# Altium PCB extension.PcbDoc (part 3 of 3)
Units mm, origin at the board's own origin, x right, y up, seen from the top; angles counter-clockwise.
Board outline 156 x 120 mm, 4 copper layers (Top Copper, Supply, GND, Bot Copper), stack 1.56 mm thick; 231 components, 147 nets, 660 pads, 234 vias.
Unrouted connection lines stored in the file: 5.
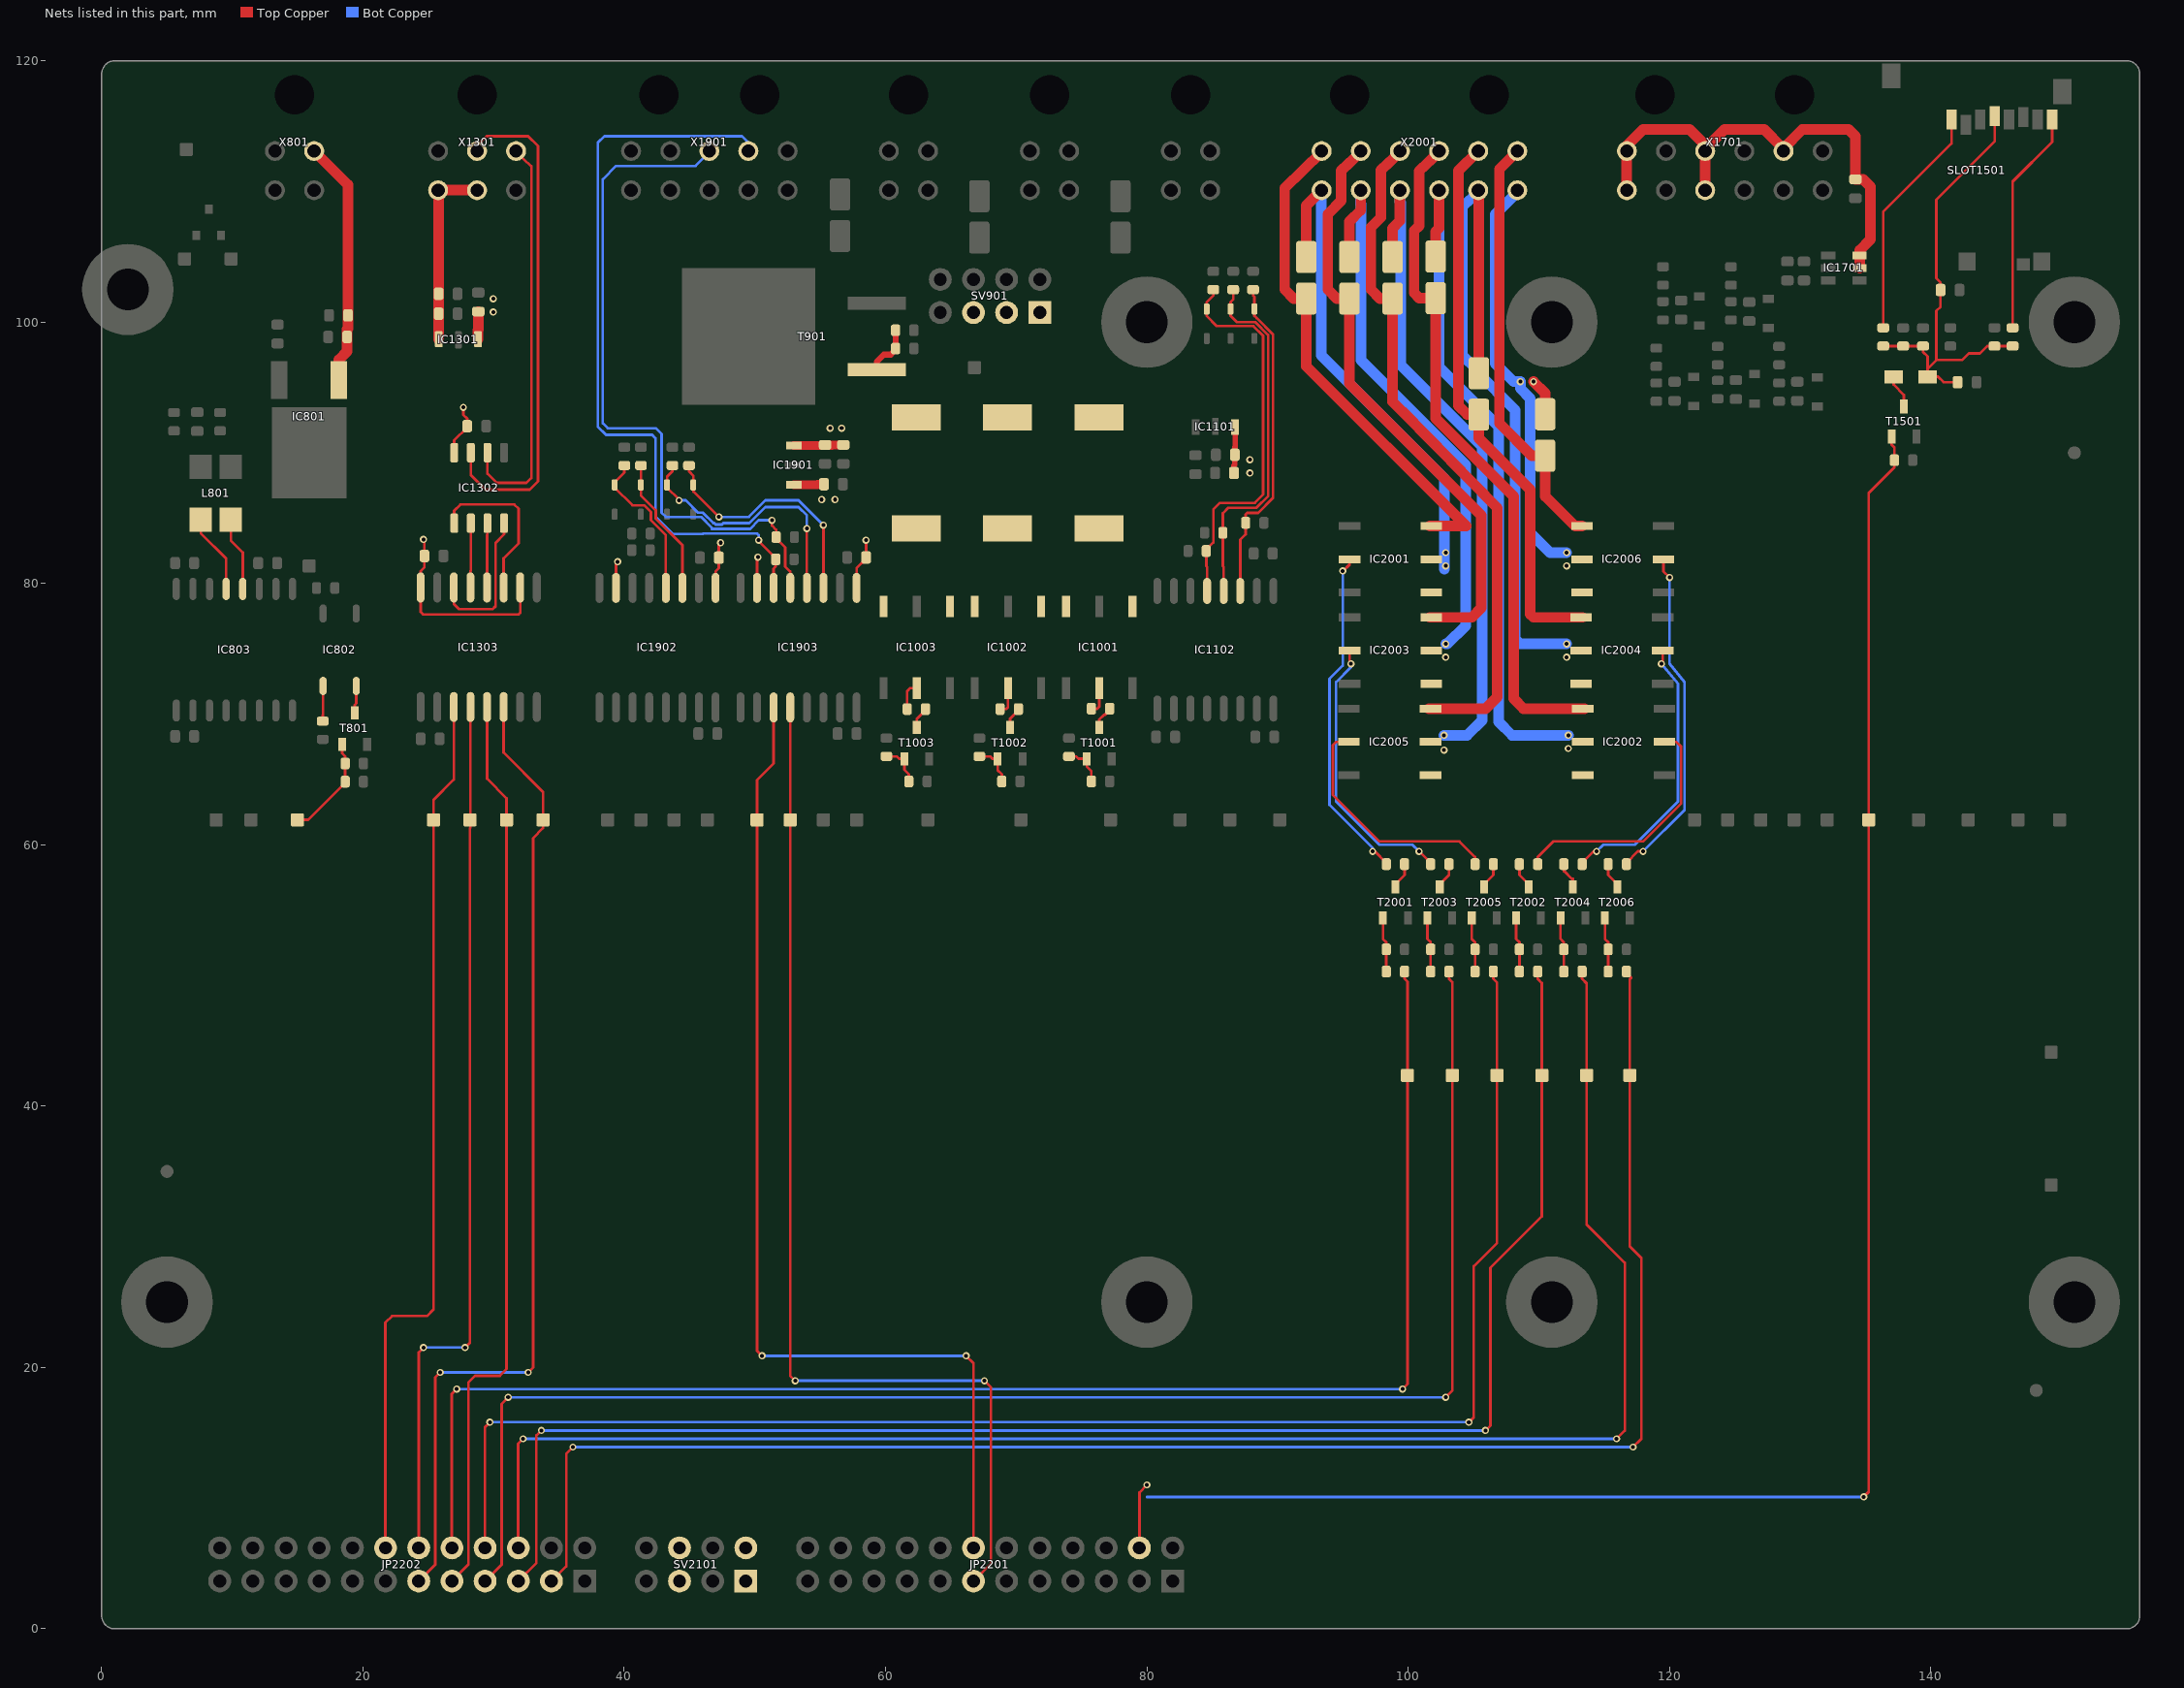
[diagram p5: the nets of this part, all layers, seen from the top]

## Via types
v1: diameter 0.55, hole 0.3, Top Copper to Bot Copper, tented both sides, 231 vias
v2: diameter 0.45, hole 0.203, Top Copper to Bot Copper, 2 vias
v3: diameter 0.9/1.8/1.8/0.9 (per signal layer), hole 0.6, Top Copper to Bot Copper, 1 vias

## Nets (pads, with @x,y where several pads share a name; then routed paths per layer and width w, separated by ;. In a path a pad name is that pad's centre, name@x,y a point inside that pad or via, vN(x,y) a via of type N, cw(c..) or ccw(c..) an arc to the next point about the centre after c; other vN are vias at no path point) (continued)
ISO_GPIO_MCU_0_OUT_2: IC1903.12 JP2201.13 LSP1906.1 | length 82.3
  Top Copper w0.203: IC1903.12@52.705,70.511 LSP1906.1@52.705,61.91 52.705,19.365 v1(53.086,18.984) ; IC1903.12@52.705,70.559 IC1903.12@52.737,70.527 ; JP2201.13@66.73,3.651 68.072,4.993 68.072,18.476 v1(67.564,18.984)
  Bot Copper w0.203: v1(53.086,18.984) v1(67.564,18.984)
ISO_GPIO_MCU_0_OUT_2_EXT: IC1903.5 R1907.2 X1901.3 | length 53.6
  Top Copper w0.203: v1(51.308,84.836) 51.308,84.421 51.624,84.105 R1907.2@51.624,83.553 51.624,83.453 52.324,82.753 52.324,81.294 52.705,80.913 IC1903.5@52.705,79.661
  Bot Copper w0.203: X1901.3@46.514,113.009 46.514,112.996 45.466,111.948 39.37,111.948 38.354,110.932 38.354,92.263 38.735,91.882 42.418,91.882 42.862,91.437 42.862,85.405 43.18,85.087 45.879,85.087 46.691,84.275 46.691,84.18 49.636,84.18 50.292,84.836 v1(51.308,84.836)
ISO_GPIO_MCU_0_OUT_3: IC1903.11 JP2201.14 LSP1908.1 | length 80.9
  Top Copper w0.203: v1(50.546,20.889) 50.165,21.27 LSP1908.1@50.165,61.91 50.165,64.958 51.435,66.228 IC1903.11@51.435,70.511 ; IC1903.11@51.435,70.559 IC1903.11@51.467,70.527 ; v1(66.167,20.889) 66.73,20.326 JP2201.14@66.73,6.191
  Bot Copper w0.203: v1(50.546,20.889) v1(66.167,20.889)
ISO_GPIO_MCU_0_OUT_3_EXT: IC1903.6 R1908.2 X1901.4 | length 58.3
  Top Copper w0.203: v1(50.292,83.312) 50.292,83.249 51.592,81.949 R1908.2@51.592,81.849 51.592,81.297 51.435,81.14 IC1903.6@51.435,79.661
  Bot Copper w0.203: X1901.4@49.514,113.009 49.514,113.742 49.022,114.234 38.481,114.234 37.973,113.726 37.973,92.009 38.608,91.374 42.132,91.374 42.386,91.12 42.386,85.122 43.731,83.777 45.992,83.777 46.032,83.817 50.165,83.817 50.292,83.69 v1(50.292,83.312)
ISO_GPIO_SUPPLY: C1903.1 C1904.1 C1906.1 IC1901.1 IC1902.1 IC1902.7 IC1903.1 IC1903.7 | length 14.4
  Top Copper w0.203: IC1902.7@39.37,79.661 39.37,81.534 v1(39.497,81.661) ; IC1902.1@46.99,79.661 46.99,80.913 47.239,81.162 C1903.1@47.239,81.976 47.239,82.987 v1(47.371,83.119) ; IC1903.7@50.165,79.614 IC1903.7@50.165,79.661 50.165,81.944 v1(50.228,82.008) ; IC1903.1@57.785,79.661 57.785,81.166 58.51,81.891 C1906.1@58.51,81.991 v1(58.51,83.312)
  Top Copper w0.66: IC1901.1@52.976,87.556 54.766,87.556 54.805,87.596 C1904.1@55.282,87.596
  other v1: 55.118,86.421 56.134,86.421
ISONOC_0_CONTROL: JP2202.10 LSP2001.1 R2001.2 | length 116.9
  Top Copper w0.203: JP2202.10@26.797,6.197 JP2202.10@26.797,6.204 ; JP2202.10@26.81,6.191 JP2202.10@26.797,6.204 ; v1(27.178,18.349) 26.797,17.968 JP2202.10@26.797,6.204 ; v1(99.568,18.349) 99.949,18.73 LSP2001.1@99.949,42.352 99.949,49.519 99.728,49.74 R2001.2@99.728,50.292
  Bot Copper w0.203: v1(27.178,18.349) v1(99.568,18.349)
ISONOC_0_NEGATIVE: D2001.2 IC2001.5 X2001.7 | length 38.6
  Top Copper w0.813: D2001.2@92.202,104.982 92.202,108.919 X2001.7@93.377,110.094
  Bot Copper w0.813: X2001.7@93.37,109.909 93.345,110.064 93.345,97.47 102.79,88.025 v1@102.79,81.087
  other v1: 102.87,81.341 102.87,82.357
ISONOC_0_POSITIVE: D2001.1 IC2001.4 IC2001.6 X2001.1 | length 38.9
  Top Copper w0.813: X2001.1@93.37,113.009 90.551,110.27 90.551,102.489 91.233,101.807 D2001.1@92.202,101.807 92.202,96.622 104.435,84.389 IC2001.6@101.772,84.389 IC2001.6@101.647,84.389
ISONOC_1_CONTROL: JP2202.7 LSP2003.1 R2007.2 | length 119.4
  Top Copper w0.203: JP2202.7@29.35,3.651 30.607,4.908 30.607,17.206 v1(31.115,17.714) ; v1(102.87,17.714) 103.378,18.222 LSP2003.1@103.378,42.352 103.378,49.488 103.125,49.74 R2007.2@103.125,50.292
  Bot Copper w0.203: v1(31.115,17.714) v1(102.87,17.714)
ISONOC_1_NEGATIVE: D2003.2 IC2003.5 X2001.8 | length 44
  Top Copper w0.813: D2003.2@95.504,104.982 95.504,107.696 96.374,108.566 X2001.8@96.374,110.094
  Bot Copper w0.813: X2001.8@96.37,109.909 96.37,109.05 96.393,109.027 96.393,97.089 104.394,89.088 104.394,76.769 102.997,75.372 v1(102.87,75.372)
  other v1: 102.87,74.356
ISONOC_1_POSITIVE: D2003.1 IC2003.4 IC2003.6 X2001.2 | length 45.6
  Top Copper w0.813: X2001.2@96.37,113.009 94.869,111.588 94.869,109.281 93.853,108.265 93.853,102.489 94.535,101.807 D2003.1@95.504,101.807 95.504,95.311 105.588,85.227 105.588,78.115 104.877,77.404 IC2003.6@101.772,77.404 IC2003.6@101.647,77.404
ISONOC_2_CONTROL: JP2202.8 LSP2005.1 R2013.2 | length 120.2
  Top Copper w0.203: JP2202.8@29.337,6.191 JP2202.8@29.337,6.204 ; JP2202.8@29.35,6.191 JP2202.8@29.337,6.204 ; v1(29.718,15.809) 29.337,15.428 JP2202.8@29.337,6.204 ; v1(104.648,15.809) 105.029,16.19 105.029,27.747 106.807,29.525 LSP2005.1@106.807,42.352 106.807,49.456 106.522,49.74 R2013.2@106.522,50.292
  Bot Copper w0.203: v1(29.718,15.809) v1(104.648,15.809)
ISONOC_2_NEGATIVE: D2005.2 IC2005.5 X2001.9 | length 51.7
  Top Copper w0.813: D2005.2@98.806,104.982 98.806,107.188 99.371,107.753 X2001.9@99.371,110.094
  Bot Copper w0.813: X2001.9@99.37,109.909 99.37,109.225 99.441,109.154 99.441,96.708 105.664,90.485 105.664,69.53 104.521,68.387 v1(102.743,68.387)
  other v1: 102.743,67.244
ISONOC_2_POSITIVE: D2005.1 IC2005.4 IC2005.6 X2001.3 | length 52.8
  Top Copper w0.813: X2001.3@99.37,113.009 97.917,111.636 97.917,108.011 97.155,107.249 97.155,102.489 97.837,101.807 D2005.1@98.806,101.807 98.806,93.914 99.568,93.152 106.807,85.786 106.807,71.308 105.918,70.419 IC2005.6@101.709,70.419 IC2005.6@101.584,70.419
ISONOC_3_CONTROL: JP2202.5 LSP2002.1 R2002.2 | length 121.6
  Top Copper w0.203: JP2202.5@31.89,3.651 33.274,5.035 33.274,14.793 v1(33.655,15.174) ; v1(105.918,15.174) 106.299,15.555 106.299,27.62 110.236,31.557 LSP2002.1@110.236,42.352 110.236,49.424 109.92,49.74 R2002.2@109.92,50.292
  Bot Copper w0.203: v1(33.655,15.174) v1(105.918,15.174)
ISONOC_3_NEGATIVE: D2002.2 IC2002.5 X2001.10 | length 53.3
  Top Copper w0.813: D2002.2@102.108,105.014 102.108,106.934 102.369,107.195 X2001.10@102.369,110.094
  Bot Copper w0.813: X2001.10@102.37,109.909 102.37,109.162 102.362,109.154 102.362,96.581 106.934,92.009 106.934,69.403 107.95,68.387 v1(112.268,68.387)
  other v1: 112.268,67.371
ISONOC_3_POSITIVE: D2002.1 IC2002.4 IC2002.6 X2001.4 | length 52.3
  Top Copper w0.813: X2001.4@102.37,113.009 100.838,111.557 100.838,107.376 100.457,106.995 100.457,102.235 100.853,101.839 D2002.1@102.108,101.839 102.108,92.644 108.077,86.675 108.077,71.181 108.839,70.419 IC2002.4@113.366,70.419 IC2002.4@113.491,70.419
ISONOC_4_CONTROL: JP2202.6 LSP2004.1 R2008.2 | length 129.6
  Top Copper w0.203: JP2202.6@31.877,6.191 JP2202.6@31.877,6.204 ; JP2202.6@31.89,6.191 JP2202.6@31.877,6.204 ; v1(32.258,14.539) 31.877,14.158 JP2202.6@31.877,6.204 ; R2008.2@113.317,50.292 113.317,49.74 113.665,49.392 LSP2004.1@113.665,42.352 113.665,30.922 116.586,28.001 116.586,15.174 v1(115.951,14.539)
  Bot Copper w0.203: v1(32.258,14.539) v1(115.951,14.539)
ISONOC_4_NEGATIVE: D2004.2 IC2004.5 X2001.11 | length 54.5
  Top Copper w0.813: X2001.11@105.366,110.094 105.41,110.05 D2004.2@105.41,96.092
  Bot Copper w0.813: X2001.11@105.37,109.909 104.14,108.859 104.14,97.47 105.283,96.327 105.283,96.2 108.204,93.279 108.204,75.753 108.585,75.372 v1(112.141,75.372)
  other v1: 112.141,74.356
ISONOC_4_POSITIVE: D2004.1 IC2004.4 IC2004.6 X2001.5 | length 43
  Top Copper w0.813: X2001.5@105.366,113.091 103.861,111.586 103.861,93.59 104.533,92.917 D2004.1@105.41,92.917 ; D2004.1@105.367,92.913 105.41,92.467 105.41,91.12 109.347,87.183 109.347,77.658 109.601,77.404 IC2004.4@113.239,77.404 IC2004.4@113.364,77.404
ISONOC_5_CONTROL: JP2202.3 LSP2006.1 R2014.2 | length 129.3
  Top Copper w0.203: JP2202.3@34.43,3.651 35.56,4.781 35.56,13.396 v1(36.068,13.904) ; R2014.2@116.714,50.292 116.714,50.192 117.085,49.821 116.967,49.704 LSP2006.1@116.967,42.352 116.967,29.271 117.856,28.382 117.856,14.539 v1(117.221,13.904)
  Bot Copper w0.203: v1(36.068,13.904) v1(117.221,13.904)
ISONOC_5_NEGATIVE: D2006.2 IC2006.5 X2001.12 | length 34
  Top Copper w0.813: v1(109.601,95.438) 110.49,94.549 D2006.2@110.49,93.424
  Bot Copper w0.813: X2001.12@108.37,109.909 108.37,109.955 106.68,108.265 106.68,96.835 108.077,95.438 v1(108.585,95.438) 108.585,94.93 109.347,94.168 109.347,83.881 110.871,82.357 v1(112.141,82.357)
  other v1: 112.141,81.341
ISONOC_5_POSITIVE: D2006.1 IC2006.4 IC2006.6 X2001.6 | length 32.8
  Top Copper w0.813: X2001.6@108.363,113.091 106.985,111.713 106.985,92.253 109.464,89.774 D2006.1@110.49,89.774 110.49,86.676 112.777,84.389 IC2006.4@113.302,84.389
MCU_TO_FPGA_INTERFACE_MCU_0_CS: SV2101.2
MCU_TO_FPGA_INTERFACE_MCU_0_MISO: SV2101.5
MCU_TO_FPGA_INTERFACE_MCU_0_MOSI: SV2101.1
MCU_TO_FPGA_INTERFACE_MCU_0_SCK: SV2101.6
Memorycard_SUPPLY: C1501.2 C1502.1 L1501.1 R1502.2 R1503.2 R1504.2 R1506.2 R1507.2 SLOT1501.4 | length 36
  Top Copper w0.203: R1502.2@136.366,98.167 R1506.2@137.89,98.167 R1504.2@139.414,98.167 139.414,97.715 139.762,97.367 139.762,96.421 ; C1502.1@142.06,95.402 140.98,95.402 140.564,95.819 L1501.1@139.762,95.819 139.762,96.421 ; SLOT1501.4@144.895,115.773 144.895,113.831 140.437,109.372 140.437,103.348 140.753,103.032 C1501.2@140.753,102.455 140.753,101.18 140.437,100.863 140.437,97.095 ; R1503.2@146.272,98.167 R1507.2@144.875,98.167 144.323,98.167 143.77,97.614 142.927,97.614 142.409,97.095 140.437,97.095 ; 139.762,96.421 140.437,97.095
Memorycard_SUPPLY_CONTROL: JP2201.4 LSP1501.1 R1501.1 T1501.1 | length 142.1
  Top Copper w0.203: JP2201.4@79.43,6.191 79.43,10.435 v1(80.01,11.015) ; v1(134.874,10.094) 135.255,10.475 LSP1501.1@135.255,61.91 135.255,86.918 137.222,88.885 R1501.1@137.222,89.437 137.222,90.395 137.004,90.613 T1501.1@137.004,91.24
  Bot Copper w0.203: 80.01,10.094 v1(134.874,10.094)
NetC1301_1: C1301.1 C1302.1 IC1301.3 X1301.4 X1301.5 | length 14.4
  Top Copper w0.813: IC1301.3@25.805,98.694 25.805,100.049 25.786,100.068 C1301.1@25.786,100.645 C1302.1@25.786,102.169 25.786,110.058 X1301.4@25.75,110.094 X1301.5@28.734,110.094
NetC1303_1: C1303.1 C1304.1 C1305.1 IC1301.1 IC1302.8 IC1303.10 IC1303.16 | length 21.5
  Top Copper w0.203: v1(24.638,83.373) 24.707,83.304 C1305.1@24.707,82.103 24.707,81.236 24.416,80.945 IC1303.16@24.416,79.693 24.416,77.817 24.606,77.626 31.909,77.626 32.036,77.753 IC1303.10@32.036,79.693 ; IC1302.8@26.987,90.01 26.987,90.95 27.977,91.939 C1304.1@27.977,92.039 27.977,92.616 27.686,92.907 v1(27.686,93.472)
  Top Copper w0.813: IC1301.1@28.805,98.694 28.805,99.395 28.829,99.419 C1303.1@28.829,100.809
  other v1: 29.972,100.772 29.972,101.788
NetC1707_1: C1707.1 IC1701.5 IC1701.6 X1701.1 X1701.3 X1701.5 X1701.7 X1701.9 | length 41.3
  Top Copper w0.61: C1707.1@134.239,110.989 C1707.1@134.265,110.964
  Top Copper w0.813: X1701.7@116.738,109.909 116.738,113.009 116.713,111.964 116.713,113.472 117.983,114.742 121.539,114.742 122.809,113.472 X1701.3@122.809,113.345 ; X1701.9@122.738,109.909 122.738,113.274 X1701.3@122.809,113.345 ; X1701.5@128.738,113.009 128.738,113.305 X1701.5@128.778,113.345 ; C1707.1@134.239,110.927 134.816,110.927 135.382,110.361 135.382,106.317 134.556,105.492 IC1701.6@134.556,105.09 IC1701.5@134.556,104.14 ; C1707.1@134.239,110.989 134.239,114.234 133.731,114.742 130.175,114.742 X1701.5@128.778,113.345 ; X1701.3@122.809,113.345 124.206,114.742 127.254,114.742 128.651,113.345 X1701.5@128.778,113.345
NetD1101_1: D1101.1 IC1102.3 R1101.1 R1104.1 | length 25.2
  Top Copper w0.203: IC1102.3@87.154,79.427 87.154,83.344 87.565,83.755 R1104.1@87.565,84.643 87.565,85.279 87.691,85.405 88.519,85.405 89.662,86.548 89.662,99.062 88.42,100.305 88.409,100.305 88.235,100.479 D1101.1@88.235,101.006 88.235,101.936 88.138,102.033 R1101.1@88.138,102.485
NetD1102_1: D1102.1 IC1102.4 R1102.1 R1105.1 | length 27.9
  Top Copper w0.203: IC1102.4@85.884,79.427 85.884,81.248 85.822,81.31 R1105.1@85.822,83.881 85.822,85.375 86.233,85.786 88.392,85.786 89.281,86.675 89.281,99.012 88.293,100 86.888,100 86.408,100.479 D1102.1@86.408,101.006 86.408,101.532 86.614,101.738 R1102.1@86.614,102.485
NetD1103_1: D1103.1 IC1102.5 R1103.1 R1106.1 | length 30.1
  Top Copper w0.203: IC1102.5@84.614,79.427 84.614,81.248 84.552,81.31 R1106.1@84.552,82.484 84.552,82.584 85.09,83.122 85.09,85.659 85.598,86.167 88.265,86.167 88.9,86.802 88.9,98.962 88.167,99.695 85.358,99.695 84.582,100.471 D1103.1@84.582,100.998 84.582,101.524 85.09,102.032 R1103.1@85.09,102.485
NetD1901_1: D1901.1 IC1902.3 R1901.1 | length 10.7
  Top Copper w0.203: R1901.1@41.275,89.023 D1901.1@41.275,87.544 41.275,86.741 42.418,85.598 42.418,84.963 44.45,82.931 IC1902.3@44.45,79.661
NetD1902_1: D1902.1 IC1902.4 R1902.1 | length 11.8
  Top Copper w0.203: R1902.1@40.005,89.023 40.005,88.478 39.271,87.744 D1902.1@39.271,87.544 39.271,87.344 40.635,85.979 41.529,85.979 42.037,85.471 42.037,84.836 43.18,83.693 IC1902.4@43.18,79.661
NetD1903_1: D1903.1 IC1903.3 R1905.1 | length 19
  Top Copper w0.203: R1905.1@44.958,89.023 44.958,88.571 45.284,88.246 D1903.1@45.284,87.544 45.284,87.017 45.317,87.017 v1(47.244,85.09) ; IC1903.3@55.245,79.661 v1(55.245,84.455)
  Bot Copper w0.203: v1(47.244,85.09) 49.53,85.09 50.8,86.36 53.34,86.36 v1(55.245,84.455)
NetD1904_1: D1904.1 IC1903.4 R1906.1 | length 20.1
  Top Copper w0.203: R1906.1@43.688,89.023 43.688,88.571 43.279,88.163 D1904.1@43.279,87.544 43.279,87.344 44.196,86.427 v1(44.196,86.36) ; IC1903.4@53.975,79.661 v1(53.975,84.201)
  Bot Copper w0.203: v1(44.196,86.36) 44.704,86.36 45.648,85.416 46.015,85.416 46.817,84.613 46.901,84.613 47.004,84.51 47.484,84.51 47.587,84.613 49.561,84.613 50.8,85.852 53.34,85.852 53.975,85.217 v1(53.975,84.201)
NetF1001_1: F1001.1 IC1001.4 IC1001.6
NetF1002_1: F1002.1 IC1002.4 IC1002.6
NetF1003_1: F1003.1 IC1003.4 IC1003.6
NetIC802_1: IC802.1 R804.2 | length 2.7
  Top Copper w0.203: R804.2@16.923,69.468 16.923,69.92 16.944,69.941 IC802.1@16.944,72.152
NetIC802_2: IC802.2 T801.D | length 2.4
  Top Copper w0.203: T801.D@19.367,69.78 T801.D@19.367,70.095 19.367,70.697 19.484,70.813 IC802.2@19.484,72.152
NetIC803_12: IC803.12 L801.2 | length 5.7
  Top Copper w0.203: L801.2@9.888,84.868 9.888,83.28 10.795,82.372 IC803.12@10.795,79.58
NetIC803_13: IC803.13 L801.3 | length 6.1
  Top Copper w0.203: L801.3@7.588,84.868 7.588,83.842 9.525,81.904 IC803.13@9.525,79.58
NetIC1001_2: IC1001.2 R1003.2 | length 2.3
  Top Copper w0.203: R1003.2@75.667,70.419 R1003.2@75.754,70.419 76.2,70.419 76.359,70.578 IC1001.2@76.359,71.993 IC1001.2@76.359,72.118
NetIC1002_2: IC1002.2 R1006.2 | length 2.1
  Top Copper w0.203: R1006.2@68.769,70.387 69.221,70.387 69.374,70.54 IC1002.2@69.374,71.993
NetIC1003_2: IC1003.2 R1009.2 | length 2.2
  Top Copper w0.203: R1009.2@61.657,70.387 61.657,71.766 61.884,71.993 IC1003.2@62.389,71.993
NetIC1302_1: IC1302.1 IC1303.11 | length 12.5
  Top Copper w0.203: IC1302.1@26.987,84.77 26.987,85.564 27.464,86.04 31.591,86.04 31.909,85.722 31.909,83.064 30.766,81.921 IC1303.11@30.766,79.693
NetIC1302_2: IC1302.2 IC1303.13 | length 4.9
  Top Copper w0.203: IC1303.13@28.226,79.693 28.226,80.945 28.258,80.976 IC1302.2@28.258,84.61
NetIC1302_3: IC1302.3 IC1303.12 | length 4.9
  Top Copper w0.203: IC1303.12@29.496,79.693 29.496,83.727 29.527,83.758 IC1302.3@29.527,84.61
NetIC1302_4: IC1302.4 IC1303.14 | length 11.3
  Top Copper w0.203: IC1303.14@26.956,79.693 26.956,78.441 27.368,78.029 29.921,78.029 30.15,78.257 30.15,83.111 30.797,83.758 IC1302.4@30.797,84.61
NetIC2001_2: IC2001.2 R2005.2 | length 25.6
  Top Copper w0.203: v1(94.996,80.96) 95.035,80.96 95.522,81.447 IC2001.2@95.522,81.849 ; v1(97.282,59.497) 97.452,59.497 98.328,58.621 R2005.2@98.328,58.521
  Bot Copper w0.203: v1(94.996,80.96) 94.996,73.721 93.98,72.705 93.98,63.053 v1@97.282,59.751
NetIC2002_2: IC2002.2 R2006.2 | length 19.1
  Top Copper w0.203: R2006.2@109.92,58.521 109.92,59.073 111.106,60.259 117.983,60.259 120.904,63.18 120.904,67.498 120.523,67.879 IC2002.2@119.616,67.879 IC2002.2@119.491,67.879
NetIC2003_2: IC2003.2 R2011.2 | length 21.4
  Top Copper w0.203: IC2003.2@95.522,74.864 95.522,73.957 v1(95.631,73.848) ; v1(100.838,59.497) 100.849,59.497 101.725,58.621 R2011.2@101.725,58.521
  Bot Copper w0.203: v1(95.631,73.848) 95.631,73.594 94.488,72.451 94.488,63.307 97.79,60.005 100.33,60.005 v1(100.838,59.497)
NetIC2004_2: IC2004.2 R2012.2 | length 21.4
  Top Copper w0.203: R2012.2@113.317,58.521 113.317,58.621 114.193,59.497 v1(114.427,59.497) ; v1(119.38,73.848) 119.489,73.957 IC2004.2@119.489,74.864
  Bot Copper w0.203: v1(114.427,59.497) 114.935,60.005 117.348,60.005 120.65,63.307 120.65,72.324 v1(119.38,73.848)
NetIC2005_2: IC2005.2 R2017.2 | length 18.7
  Top Copper w0.203: IC2005.2@95.584,67.879 IC2005.2@95.459,67.879 94.488,67.879 94.234,67.625 94.234,63.815 97.79,60.259 103.936,60.259 105.122,59.073 R2017.2@105.122,58.521
NetIC2006_2: IC2006.2 R2018.2 | length 26.1
  Top Copper w0.203: R2018.2@116.714,58.521 116.714,58.621 117.59,59.497 v1(117.983,59.497) ; IC2006.2@119.552,81.849 119.552,80.915 v1(120.015,80.452)
  Bot Copper w0.203: v1@118.049,59.497 v1(117.983,59.497) 121.158,62.672 121.158,72.451 120.015,73.848 v1(120.015,80.452)
NetL1501_2: L1501.2 T1501.3 | length 2.6
  Top Copper w0.203: L1501.2@137.162,95.819 137.162,95.217 137.954,94.425 T1501.3@137.954,93.54
NetLSP807_1: LSP807.1 R805.1 R806.1 T801.G | length 7.9
  Top Copper w0.203: LSP807.1@14.986,61.91 15.815,61.91 18.636,64.731 R806.1@18.636,64.831 R805.1@18.636,66.228 18.636,66.78 18.417,66.998 T801.G@18.417,67.695
NetR901_1: R901.1 R902.1 T901.1 | length 3.9
  Top Copper w0.457: T901.1@59.323,96.359 59.323,96.96 59.87,97.507 60.397,97.507 60.768,97.878 R902.1@60.768,97.978 R901.1@60.768,99.375
NetR1001_1: R1001.1 R1002.2 T1001.G | length 3.3
  Top Copper w0.203: R1002.2@74.041,66.766 74.593,66.766 74.775,66.584 T1001.G@75.409,66.584 75.409,65.982 75.754,65.637 R1001.1@75.754,64.854
NetR1003_1: R1003.1 T1001.D | length 1.8
  Top Copper w0.203: T1001.D@76.359,68.984 76.359,69.585 76.722,69.948 76.783,69.948 77.154,70.319 R1003.1@77.154,70.419
NetR1004_1: R1004.1 R1005.2 T1002.G | length 3.3
  Top Copper w0.203: R1005.2@67.183,66.766 67.999,66.766 68.181,66.584 T1002.G@68.582,66.584 68.582,65.72 68.896,65.406 R1004.1@68.896,64.854
NetR1006_1: R1006.1 T1002.D | length 1.7
  Top Copper w0.203: T1002.D@69.532,68.984 69.532,69.65 70.169,70.287 R1006.1@70.169,70.387
NetR1007_1: R1007.1 R1008.2 T1003.G | length 3.3
  Top Copper w0.203: R1008.2@60.071,66.766 60.855,66.766 61.037,66.584 T1003.G@61.439,66.584 61.439,65.751 61.784,65.406 R1007.1@61.784,64.854
NetR1009_1: R1009.1 T1003.D | length 1.7
  Top Copper w0.203: T1003.D@62.389,68.984 62.389,69.619 63.057,70.287 R1009.1@63.057,70.387
NetR1502_1: R1502.1 SLOT1501.1 | length 18
  Top Copper w0.203: R1502.1@136.366,99.654 136.366,108.426 141.595,113.655 SLOT1501.1@141.595,115.498
NetR1503_1: R1503.1 SLOT1501.8 | length 17.1
  Top Copper w0.203: R1503.1@146.272,99.654 146.272,110.759 149.295,113.783 SLOT1501.8@149.295,115.498
NetR2001_1: R2001.1 R2003.2 T2001.G | length 4.2
  Top Copper w0.203: T2001.G@98.078,54.392 98.078,52.798 98.328,52.548 R2003.2@98.328,51.996 98.328,50.844 R2001.1@98.328,50.292
NetR2002_1: R2002.1 R2004.2 T2002.G | length 4.2
  Top Copper w0.203: T2002.G@108.27,54.392 108.27,52.798 108.52,52.548 R2004.2@108.52,51.996 108.52,51.445 R2002.1@108.52,50.292
NetR2005_1: R2005.1 T2001.D | length 2
  Top Copper w0.203: T2001.D@99.028,56.792 99.028,56.992 99.728,57.692 R2005.1@99.728,58.521
NetR2006_1: R2006.1 T2002.D | length 2
  Top Copper w0.203: R2006.1@108.52,58.521 108.52,57.692 109.22,56.992 T2002.D@109.22,56.792
NetR2007_1: R2007.1 R2009.2 T2003.G | length 4.2
  Top Copper w0.203: T2003.G@101.475,54.392 101.475,52.798 101.725,52.548 R2009.2@101.725,51.996 101.725,51.445 R2007.1@101.725,50.292
NetR2008_1: R2008.1 R2010.2 T2004.G | length 4.2
  Top Copper w0.203: T2004.G@111.667,54.392 111.667,52.798 111.917,52.548 R2010.2@111.917,51.996 111.917,50.844 R2008.1@111.917,50.292
NetR2011_1: R2011.1 T2003.D | length 2
  Top Copper w0.203: T2003.D@102.425,56.792 102.425,56.992 103.125,57.692 R2011.1@103.125,58.521
NetR2012_1: R2012.1 T2004.D | length 2.1
  Top Copper w0.203: R2012.1@111.917,58.521 111.917,57.969 111.957,57.969 112.533,57.393 112.617,57.393 T2004.D@112.617,56.792
NetR2013_1: R2013.1 R2015.2 T2005.G | length 4.2
  Top Copper w0.203: T2005.G@104.872,54.392 104.872,52.798 105.122,52.548 R2015.2@105.122,51.996 105.122,51.445 R2013.1@105.122,50.292
NetR2014_1: R2014.1 R2016.2 T2006.G | length 4.2
  Top Copper w0.203: T2006.G@115.064,54.392 115.064,52.798 115.314,52.548 R2016.2@115.314,51.996 115.314,50.844 R2014.1@115.314,50.292
NetR2017_1: R2017.1 T2005.D | length 2
  Top Copper w0.203: T2005.D@105.822,56.792 105.822,56.992 106.522,57.692 R2017.1@106.522,58.521
NetR2018_1: R2018.1 T2006.D | length 2
  Top Copper w0.203: R2018.1@115.314,58.521 115.314,57.692 116.014,56.992 T2006.D@116.014,56.792
RS485_A_EXT: IC1302.6 X1301.3 | length 30.9
  Top Copper w0.203: IC1302.6@29.527,90.01 29.527,88.405 30.241,87.691 32.512,87.691 32.893,88.072 32.893,111.93 X1301.3@31.734,113.009
RS485_B_EXT: IC1302.7 X1301.2 | length 39
  Top Copper w0.203: IC1302.7@28.258,90.01 28.258,88.303 29.378,87.183 32.766,87.183 33.401,87.818 33.401,113.472 32.639,114.234 29.464,114.234 28.734,113.504 X1301.2@28.734,113.091 X1301.2@28.734,113.009
RS485_MCU_0_DE: IC1303.5 JP2202.9 LSP1302.1 | length 70.4
  Top Copper w0.203: JP2202.9@26.81,3.651 28.067,4.908 28.067,18.857 28.575,19.365 30.48,19.365 30.988,19.873 LSP1302.1@30.988,61.91 30.988,63.561 29.496,65.053 IC1303.5@29.496,70.59
RS485_MCU_0_NRE: IC1303.4 JP2202.12 LSP1303.1 | length 68.2
  Top Copper w0.203: JP2202.12@24.27,5.918 JP2202.12@24.27,6.191 24.27,21.156 v1(24.638,21.524) ; v1(27.813,21.524) 28.194,21.905 28.194,61.275 28.226,61.307 IC1303.4@28.226,70.59
  Bot Copper w0.203: v1(24.638,21.524) v1(27.813,21.524)
RS485_MCU_0_RX: IC1303.6 JP2202.11 LSP1304.1 | length 76
  Top Copper w0.203: JP2202.11@24.27,3.651 25.527,4.908 25.527,19.238 v1(25.908,19.619) ; IC1303.6@30.766,70.543 30.766,67.062 33.782,64.046 LSP1304.1@33.782,61.91 33.782,61.275 33.02,60.513 33.02,20 v1(32.639,19.619)
  Bot Copper w0.203: v1(25.908,19.619) v1(32.639,19.619)
RS485_MCU_0_TX: IC1303.3 JP2202.14 LSP1301.1 | length 68.4
  Top Copper w0.203: JP2202.14@21.717,5.918 JP2202.14@21.717,6.204 ; JP2202.14@21.73,6.191 JP2202.14@21.717,6.204 ; IC1303.3@26.956,70.543 26.956,64.99 25.4,63.434 LSP1301.1@25.4,61.91 25.4,24.445 24.892,23.937 22.225,23.937 21.717,23.429 JP2202.14@21.717,6.204
SUPPLY_EXT_0: C1101.1 C1102.1 C1901.1 C1902.1 IC1101.3 IC1901.3 SV901.5 | length 7.9
  Top Copper w0.406: C1101.1@86.672,88.453 86.672,89.03 86.736,89.094 C1102.1@86.736,89.85 86.736,90.427 86.749,90.439 IC1101.3@86.749,91.96
  Top Copper w0.66: IC1901.3@52.976,90.556 55.898,90.556 55.949,90.607 ; C1902.1@55.372,90.607 55.949,90.607 ; C1901.1@56.769,90.607 55.949,90.607
  other v1: 87.884,88.453 87.884,89.469 55.753,91.882 56.642,91.882
SUPPLY_EXT_1: C801.2 C802.2 IC801.1 X801.2 | length 18.9
  Top Copper w0.813: X801.2@16.263,113.091 18.854,110.5 C801.2@18.854,100.518 18.854,99.507 18.791,99.444 C802.2@18.791,98.867 18.791,97.743 18.155,97.107 IC801.1@18.155,95.555
SUPPLY_EXT_2: F1001.2 F1002.2 F1003.2 SV901.1 SV901.3
pads on no net: Designator30.Hole_3.2 Designator31.Hole_3.2 Designator32.Hole_3.2 Designator33.Hole_3.2 Designator34.Hole_3.2 Designator35.Hole_3.2 Designator36.Hole_3.2 Designator37.Hole_3.2 FD1.0 FD2.0 FD3.0 IC803.4 IC803.6 IC1001.3 IC1002.3 IC1003.3 IC1102.6 IC1102.7 IC1102.11 IC2001.3 IC2002.3 IC2003.3 IC2004.3 IC2005.3 IC2006.3 JP2201.2 JP2201.18 JP2202.2 X801. X1201. X1202. X1203. X1301. X1701. X1901. X2001.

## Polygon pours and split planes (outlines as drawn)
no net on Top Overlay "Label_Field" (solid, pour order 146): 87.023,6.83 87.023,0.849 112.941,0.849 112.941,6.83
GND_0 on GND "Polygon_1_Net_GND_0" (solid, remove dead copper, pour order 134): -0.102,-0.102 -0.102,72.934 93.43,72.934 94.64,74.144 94.64,84.558 94.954,84.872 96.308,84.872 96.622,84.558 96.622,62.079 97.959,60.742 117.306,60.742 118.517,61.952 118.643,103.267 115.722,105.934 115.722,119.48 116.287,120.102 156.102,120.102 156.102,-0.102
GND_EXT_0 on GND "Polygon_1_Net_GND_EXT_0" (solid, remove dead copper, pour order 133): 37.744,120.102 37.744,77.489 38.185,77.048 90.524,77.048 90.652,87.524 92.119,89.113 99.145,89.113 100.736,87.522 100.736,65.17 101.05,64.856 113.961,64.856 114.275,65.17 114.147,101.833 111.608,104.119 111.608,120.102
GND_EXT_1 on GND "Polygon_1_Net_GND_EXT_1" (solid, remove dead copper, pour order 132): -0.102,120.102 19.914,120.102 19.914,77.489 19.473,77.048 -0.102,77.048
GND_EXT_3 on GND "Polygon_1_Net_GND_EXT_3" (solid, remove dead copper, pour order 131): 24.028,120.102 33.63,120.102 33.63,77.489 33.189,77.048 24.469,77.048 24.028,77.489
+3.3V_0 on Supply "Polygon_1_Net_+3.3V_0" (solid, remove dead copper, pour order 130): -0.102,-0.102 -0.102,72.934 93.43,72.934 94.64,74.144 94.64,84.558 94.954,84.872 96.308,84.872 96.622,84.558 96.622,62.079 97.959,60.742 117.306,60.742 118.517,61.952 118.643,103.267 115.722,105.934 115.722,119.48 116.287,120.102 156.102,120.102 156.102,-0.102
SUPPLY_EXT_0 on Supply "Polygon_2_Net_SUPPLY_EXT_0" (solid, remove dead copper, pour order 129): 37.744,120.102 37.744,77.489 38.185,77.048 90.524,77.048 90.652,87.524 92.119,89.113 99.145,89.113 100.736,87.522 100.736,65.17 101.05,64.856 113.961,64.856 114.275,65.17 114.147,101.833 111.608,104.119 111.608,120.102
CAN_TRANS_1_EXT_SUPPLY on Supply "Polygon_1_Net_CAN_TRANS_1_EXT_SUPPLY" (solid, remove dead copper, pour order 128): -0.102,120.102 19.914,120.102 19.914,77.489 19.473,77.048 -0.102,77.048
NetC1303_1 on Supply "Polygon_1_Net_N$279" (solid, remove dead copper, pour order 127): 24.028,120.102 33.63,120.102 33.63,77.489 33.189,77.048 24.469,77.048 24.028,77.489
ISO_GPIO_SUPPLY on Supply "Polygon_2_Net_ISO_GPIO_SUPPLY" (solid, remove dead copper, pour order 126): 37.744,90.781 37.744,77.489 38.185,77.048 58.462,77.048 58.903,77.489 58.903,90.654 58.335,91.222 38.185,91.222
CONTACTOR_FEEDBACK_SUPPLY_EXT on Supply "Polygon_2_Net_CONTACTOR_FEEDBACK_SUPPLY_EXT" (solid, remove dead copper, pour order 125): 80.162,91.289 80.162,77.616 80.73,77.048 89.831,77.048 90.525,77.742 90.653,86.97 90.085,87.539 87.545,87.539 86.97,88.114 86.97,91.162 86.403,91.729 80.731,91.858
CONTACTORS_COMMON_NEG on Top Copper "Polygon_1_Net_CONTACTORS_COMMON_NEG" (solid, remove dead copper, pour order 124): 40.217,92.923 39.649,93.491 39.649,107.799 40.217,108.367 53.298,108.367 53.873,108.942 53.873,110.974 54.441,111.542 88.434,111.542 89.002,110.974 89.002,106.191 88.434,105.623 85.137,105.623 84.375,104.734 61.637,104.734 61.062,104.159 61.062,93.618 60.367,92.923
GND_EXT_1 on Top Copper "Polygon_2_Net_GND_EXT_1" (solid, remove dead copper, pour order 123): 12.023,103.922 19.219,103.922 19.914,103.227 19.914,83.966 19.346,83.398 12.023,83.398 11.328,84.093 11.328,103.227
GND_EXT_0 on Top Copper "Polygon_2_Net_GND_EXT_0" (solid, remove dead copper, pour order 121): 46.126,91.924 46.126,86.379 46.694,85.811 58.208,85.811 58.903,86.506 58.903,91.797 58.208,92.492 46.694,92.492
GND_EXT_0 on Top Copper "Polygon_3_Net_GND_EXT_0" (solid, remove dead copper, pour order 120): 88.053,99.477 84.413,99.477 83.972,99.036 83.972,98.274 81.813,96.115 81.813,87.014 82.381,86.446 87.926,86.446 88.494,87.014 88.494,99.036
GND_EXT_3 on Top Copper "Polygon_2_Net_GND_EXT_3" (solid, remove dead copper, pour order 119): 31.792,94.193 24.723,94.193 24.028,94.888 24.028,103.227 24.723,103.922 31.792,103.922 32.487,103.227 32.487,94.888
NetF1003_1 on Top Copper "Polygon_1_Net_N$21" (solid, remove dead copper, pour order 116): 59.207,77.489 59.207,85.32 59.648,85.761 65.193,85.761 65.634,85.32 65.634,77.489 65.193,77.048 59.648,77.048
NetF1002_1 on Top Copper "Polygon_1_Net_N$19" (solid, remove dead copper, pour order 115): 66.192,77.489 66.192,85.32 66.633,85.761 72.178,85.761 72.619,85.32 72.619,77.489 72.178,77.048 66.633,77.048
NetF1001_1 on Top Copper "Polygon_1_Net_N$18" (solid, remove dead copper, pour order 117): 73.177,77.489 73.177,85.32 73.618,85.761 79.163,85.761 79.604,85.32 79.604,77.489 79.163,77.048 73.618,77.048
ISONOC_3_POSITIVE on Top Copper "Polygon_1_Net_ISONOC_3_POSITIVE" (solid, remove dead copper, pour order 114): 108.035,64.856 113.961,64.856 114.275,65.17 114.275,70.461 113.833,70.902 108.034,70.774 107.721,70.461 107.721,65.17
ISONOC_2_POSITIVE on Top Copper "Polygon_1_Net_ISONOC_2_POSITIVE" (solid, remove dead copper, pour order 113): 106.849,70.902 101.177,70.902 100.736,70.461 100.736,65.17 101.05,64.856 106.849,64.856 107.163,65.17 107.163,70.588
ISONOC_4_POSITIVE on Top Copper "Polygon_1_Net_ISONOC_4_POSITIVE" (solid, remove dead copper, pour order 112): 113.961,77.887 109.305,77.887 108.864,77.446 108.864,72.282 109.305,71.841 113.961,71.841 114.275,72.155 114.275,77.573
ISONOC_1_POSITIVE on Top Copper "Polygon_1_Net_ISONOC_1_POSITIVE" (solid, remove dead copper, pour order 111): 101.05,71.841 105.579,71.841 106.02,72.282 106.02,77.446 105.579,77.887 101.05,77.887 100.736,77.573 100.736,72.155
ISONOC_0_POSITIVE on Top Copper "Polygon_1_Net_ISONOC_0_POSITIVE" (solid, remove dead copper, pour order 110): 101.05,78.826 104.436,78.826 104.877,79.267 104.877,84.431 104.436,84.872 101.05,84.872 100.736,84.558 100.736,79.14
ISONOC_5_POSITIVE on Top Copper "Polygon_1_Net_ISONOC_5_POSITIVE" (solid, remove dead copper, pour order 109): 110.575,78.826 113.834,78.826 114.275,79.267 114.275,84.431 113.834,84.872 110.575,84.872 110.134,84.431 110.134,79.267
GND_EXT_2 on Top Copper "Polygon_3_Net_GND_EXT_2" (solid, remove dead copper, pour order 118): 56.413,103.862 56.413,99.333 57.108,98.638 67.606,98.638 68.047,99.079 68.047,101.492 68.622,102.067 72.432,102.067 73.127,102.762 73.127,103.862 72.432,104.557 57.108,104.557
ISONOC_4_NEGATIVE on Top Copper "Polygon_1_Net_ISONOC_4_NEGATIVE" (solid, remove dead copper, pour order 104): 114.148,73.933 113.834,73.619 111.718,73.619 111.404,73.933 111.404,75.795 111.718,76.109 113.834,76.109 114.148,75.795
CONTACTOR_7_COIL_POS on Top Copper "Polygon_1_Net_CONTACTOR_7_COIL_POS" (solid, remove dead copper, pour order 106): 68.097,77.362 68.097,80.367 68.411,80.681 70.273,80.681 70.587,80.367 70.587,77.362 70.273,77.048 68.411,77.048
CONTACTOR_6_COIL_POS on Top Copper "Polygon_1_Net_CONTACTOR_6_COIL_POS" (solid, remove dead copper, pour order 108): 75.082,77.362 75.082,80.367 75.396,80.681 77.258,80.681 77.572,80.367 77.572,77.362 77.258,77.048 75.396,77.048
CONTACTOR_8_COIL_POS on Top Copper "Polygon_1_Net_CONTACTOR_8_COIL_POS" (solid, remove dead copper, pour order 107): 61.112,77.362 61.112,80.367 61.426,80.681 63.288,80.681 63.602,80.367 63.602,77.362 63.288,77.048 61.426,77.048
ISONOC_2_NEGATIVE on Top Copper "Polygon_1_Net_ISONOC_2_NEGATIVE" (solid, remove dead copper, pour order 101): 100.736,68.81 101.05,69.124 103.166,69.124 103.48,68.81 103.48,66.948 103.166,66.634 101.05,66.634 100.736,66.948
ISONOC_1_NEGATIVE on Top Copper "Polygon_1_Net_ISONOC_1_NEGATIVE" (solid, remove dead copper, pour order 100): 100.863,75.795 101.177,76.109 103.293,76.109 103.607,75.795 103.607,73.933 103.293,73.619 101.177,73.619 100.863,73.933
ISONOC_0_NEGATIVE on Top Copper "Polygon_1_Net_ISONOC_0_NEGATIVE" (solid, remove dead copper, pour order 105): 100.863,82.78 101.177,83.094 103.293,83.094 103.607,82.78 103.607,80.918 103.293,80.604 101.177,80.604 100.863,80.918
ISONOC_3_NEGATIVE on Top Copper "Polygon_1_Net_ISONOC_3_NEGATIVE" (solid, remove dead copper, pour order 102): 114.275,66.948 113.961,66.634 111.845,66.634 111.531,66.948 111.531,68.81 111.845,69.124 113.961,69.124 114.275,68.81
ISONOC_5_NEGATIVE on Top Copper "Polygon_1_Net_ISONOC_5_NEGATIVE" (solid, remove dead copper, pour order 103): 114.148,80.918 113.834,80.604 111.718,80.604 111.404,80.918 111.404,82.78 111.718,83.094 113.834,83.094 114.148,82.78
NetC1303_1 on Top Copper "Polygon_2_Net_N$279" (solid, remove dead copper, pour order 92): 28.533,101.382 29.422,101.382 29.489,101.449 29.489,102.211 29.676,102.398 30.268,102.398 30.455,102.211 30.455,100.476 30.268,100.289 28.533,100.289 28.346,100.476 28.346,101.195
NetC1303_1 on Top Copper "Polygon_3_Net_N$279" (solid, remove dead copper, pour order 95): 28.533,101.382 29.422,101.382 29.489,101.449 29.489,102.211 29.676,102.398 30.268,102.398 30.455,102.211 30.455,100.476 30.268,100.289 28.533,100.289 28.346,100.476 28.346,101.195
CAN_TRANS_1_EXT_SUPPLY on Top Copper "Polygon_2_Net_CAN_TRANS_1_EXT_SUPPLY" (solid, remove dead copper, pour order 96): 11.896,98.003 13.945,98.003 13.945,98.461 13.123,98.461 12.802,98.782 12.802,100.052 12.488,100.366 11.896,100.366 11.582,100.052 11.582,98.317
SUPPLY_EXT_2 on Top Copper "Polygon_1_Net_SUPPLY_EXT_2" (solid, remove dead copper, pour order 122): 60.526,91.247 59.944,91.829 59.944,93.459 60.526,94.041 67.257,94.041 67.945,94.729 67.945,100.952 68.654,101.661 72.443,101.661 73.152,100.952 73.152,99.053 73.833,98.486 74.976,98.486 78.867,95.243 78.867,91.956 78.158,91.247
ISONOC_5_NEGATIVE on Top Copper "Polygon_4_Net_ISONOC_5_NEGATIVE" (solid, remove dead copper, pour order 98): 110.338,95.861 110.024,96.175 108.162,96.175 107.848,95.861 107.848,95.015 108.162,94.701 110.024,94.701 110.338,95.015
ISO_GPIO_SUPPLY on Top Copper "Polygon_1_Net_ISO_GPIO_SUPPLY" (solid, remove dead copper, pour order 93): 55.728,87.86 55.728,86.971 55.795,86.904 56.557,86.904 56.744,86.717 56.744,86.125 56.557,85.938 54.822,85.938 54.635,86.125 54.635,87.86 54.822,88.047 55.541,88.047
CONTACTOR_FEEDBACK_SUPPLY_EXT on Top Copper "Polygon_1_Net_CONTACTOR_FEEDBACK_SUPPLY_EXT" (solid, remove dead copper, pour order 99): 84.116,89.24 82.973,89.24 82.906,89.173 82.906,88.411 82.719,88.224 82.127,88.224 81.94,88.411 81.94,90.146 82.127,90.333 84.116,90.333 84.303,90.146 84.303,89.427
SUPPLY_EXT_0 on Top Copper "Polygon_3_Net_SUPPLY_EXT_0" (solid, remove dead copper, pour order 97): 86.445,89.063 87.334,89.063 87.401,89.13 87.401,89.892 87.588,90.079 88.18,90.079 88.367,89.892 88.367,88.03 88.18,87.843 86.445,87.843 86.258,88.03 86.258,88.876
SUPPLY_EXT_0 on Top Copper "Polygon_1_Net_SUPPLY_EXT_0" (solid, remove dead copper, pour order 94): 56.159,90.443 56.159,91.332 56.092,91.399 55.33,91.399 55.143,91.586 55.143,92.178 55.33,92.365 57.065,92.365 57.252,92.178 57.252,90.443 57.065,90.256 56.346,90.256
CONTACTOR_8_COIL_POS on Bot Copper "Polygon_2_Net_CONTACTOR_8_COIL_POS" (solid, remove dead copper, pour order 137): 63.602,80.367 63.288,80.681 61.426,80.681 61.112,80.367 61.112,79.521 61.426,79.207 63.288,79.207 63.602,79.521
CONTACTOR_6_COIL_POS on Bot Copper "Polygon_2_Net_CONTACTOR_6_COIL_POS" (solid, remove dead copper, pour order 139): 77.572,80.367 77.258,80.681 75.396,80.681 75.082,80.367 75.082,79.521 75.396,79.207 77.258,79.207 77.572,79.521
ISONOC_0_NEGATIVE on Bot Copper "Polygon_2_Net_ISONOC_0_NEGATIVE" (solid, remove dead copper, pour order 138): 103.293,80.604 103.607,80.918 103.607,82.78 103.293,83.094 102.447,83.094 102.133,82.78 102.133,80.918 102.447,80.604
ISONOC_0_NEGATIVE on Bot Copper "Polygon_3_Net_ISONOC_0_NEGATIVE" (solid, remove dead copper, pour order 136): 103.293,80.604 103.607,80.918 103.607,82.78 103.293,83.094 102.447,83.094 102.133,82.78 102.133,80.918 102.447,80.604
ISONOC_4_NEGATIVE on Bot Copper "Polygon_2_Net_ISONOC_4_NEGATIVE" (solid, remove dead copper, pour order 142): 112.564,73.619 112.878,73.933 112.878,75.795 112.564,76.109 111.718,76.109 111.404,75.795 111.404,73.933 111.718,73.619
ISONOC_5_NEGATIVE on Bot Copper "Polygon_3_Net_ISONOC_5_NEGATIVE" (solid, remove dead copper, pour order 135): 110.338,95.861 110.024,96.175 108.162,96.175 107.848,95.861 107.848,95.015 108.162,94.701 110.024,94.701 110.338,95.015
ISONOC_5_NEGATIVE on Bot Copper "Polygon_2_Net_ISONOC_5_NEGATIVE" (solid, remove dead copper, pour order 143): 112.564,80.604 112.878,80.918 112.878,82.78 112.564,83.094 111.718,83.094 111.404,82.78 111.404,80.918 111.718,80.604
ISONOC_3_NEGATIVE on Bot Copper "Polygon_2_Net_ISONOC_3_NEGATIVE" (solid, remove dead copper, pour order 145): 112.691,66.634 113.005,66.948 113.005,68.81 112.691,69.124 111.845,69.124 111.531,68.81 111.531,66.948 111.845,66.634
ISONOC_2_NEGATIVE on Bot Copper "Polygon_2_Net_ISONOC_2_NEGATIVE" (solid, remove dead copper, pour order 144): 103.166,66.634 103.48,66.948 103.48,68.81 103.166,69.124 102.32,69.124 102.006,68.81 102.006,66.948 102.32,66.634
ISONOC_1_NEGATIVE on Bot Copper "Polygon_2_Net_ISONOC_1_NEGATIVE" (solid, remove dead copper, pour order 141): 103.293,73.619 103.607,73.933 103.607,75.795 103.293,76.109 102.447,76.109 102.133,75.795 102.133,73.933 102.447,73.619
CONTACTOR_7_COIL_POS on Bot Copper "Polygon_2_Net_CONTACTOR_7_COIL_POS" (solid, remove dead copper, pour order 140): 70.587,80.367 70.273,80.681 68.411,80.681 68.097,80.367 68.097,79.521 68.411,79.207 70.273,79.207 70.587,79.521

## Keep-outs
Keep-Out Layer:
  the board outline again, w0

## Silkscreen, mask and mechanical layers (free items; w line width, h text height)
Top Overlay:
  drawing of 11870 lines, arcs and shapes, not listed
  text "GND" at 3.404,113.487 h1.02
  text "EXT 1" at 3.226,112.192 h1.02
  text "X1203" at 60.325,111.122 h1.27
  text "X1202" at 71.12,111.122 h1.27
  text "X1201" at 81.915,111.122 h1.27
  text "X1701" at 112.776,110.871 h1.27
  text "10" at 53.467,110.617 h0.71
  text "3" at 11.684,109.728 h0.71
  text "4" at 17.526,109.728 h0.71
  text "4" at 24.003,109.728 h0.71
  text "6" at 33.02,109.728 h0.71
  text "6" at 38.735,109.728 h0.71
  text "3" at 58.674,109.728 h0.71
  text "4" at 64.643,109.728 h0.71
  text "3" at 69.469,109.728 h0.71
  text "3" at 80.137,109.728 h0.71
  text "4" at 86.106,109.728 h0.71
  text "7" at 91.694,109.728 h0.71
  text "12" at 109.728,109.728 h0.71
  text "4" at 75.311,109.601 h0.71
  text "7" at 115.062,109.601 h0.71
  text "12" at 132.08,108.265 h0.71
  text "CONT. 8" at 60.588,108.138 h1.27
  text "CONT. 7" at 71.383,108.138 h1.27
  text "CONT. 6" at 81.28,108.138 h1.27
  text "X2001" at 99.441,107.95 h1.27
  text "ISO NOC" at 107.442,107.442 h1.27
  text "ANALOG" at 116.273,107.442 h1.27
  text "RS485" at 27.178,106.934 h1.27
  text "CAN 1" at 13.335,106.68 h1.27
  text "GPIO" at 45.339,106.68 h1.27
  text "LO" at 11.278,104.572 h1.02
  text "HI" at 4.318,104.521 h1.02
  text "CAN 1" at 7.544,103.073 h1.27
  text "INTERLOCK" at 67.691,96.911 h1.27
  text "STATUS" at 67.691,95.692 h1.27
  text "STB" at 16.891,84.963 h1.27
  text "EXT" at 16.828,83.754 h1.27
  text "SDCARD" at 149.098,55.905 h1.27 r90
  text "SDCARD" at 141.884,55.829 h1.27 r90
  text "SPI MOSI" at 143.129,55.753 h1.27 r90
  text "SDCARD" at 145.898,55.753 h1.27 r90
  text "SPI SCK" at 147.091,55.753 h1.27 r90
  text "SPI MISO" at 150.368,55.753 h1.27 r90
  text "ADC CH 1" at 124.714,55.626 h1.27 r90
  text "SDCARD" at 138.303,55.626 h1.27 r90
  text "SPI NSS" at 139.446,55.575 h1.27 r90
  text "CAN 1 TX" at 8.819,55.424 h1.27 r90
  text "RS485 TX" at 25.781,55.387 h1.27 r90
  text "ADC CH 0" at 122.174,55.372 h1.27 r90
  text "ADC CH 2" at 127.254,55.372 h1.27 r90
  text "ADC CH 3" at 129.921,55.372 h1.27 r90
  text "ADC CH 4" at 132.461,55.372 h1.27 r90
  text "SDCARD" at 134.493,55.372 h1.27 r90
  text "SUP CRTL" at 135.636,55.372 h1.27 r90
  text "RS485 DE" at 31.496,55.316 h1.27 r90
  text "CAN 1 RX" at 11.232,55.298 h1.27 r90
  text "RS485 RX" at 34.29,55.262 h1.27 r90
  text "CONTROL" at 64.389,55.016 h1.27 r90
  text "CONTROL" at 71.501,55.016 h1.27 r90
  text "CONTROL" at 78.359,55.016 h1.27 r90
  text "CONTROL" at 87.503,55.016 h1.27 r90
  text "CONTROL" at 91.313,55.016 h1.27 r90
  text "CAN 1 STB" at 15.367,54.658 h1.27 r90
  text "RS485 NRE" at 28.575,54.497 h1.27 r90
  text "FEEDBACK" at 83.693,54.321 h1.27 r90
  text "ISO GPIO IN 1" at 44.196,53.295 h1.27 r90
  text "ISO GPIO IN 0" at 46.736,53.166 h1.27 r90
  text "ISO GPIO IN 3" at 55.626,53.159 h1.27 r90
  text "ISO GPIO IN 2" at 58.166,53.167 h1.27 r90
  text "CONTACTOR 8" at 63.119,52.448 h1.27 r90
  text "CONTACTOR 7" at 70.231,52.448 h1.27 r90
  text "CONTACTOR 8" at 82.423,52.448 h1.27 r90
  text "CONTACTOR 7" at 86.233,52.448 h1.27 r90
  text "CONTACTOR 6" at 77.089,52.437 h1.27 r90
  text "CONTACTOR 6" at 90.043,52.437 h1.27 r90
  text "ISO GPIO OUT 1" at 39.116,52.035 h1.27 r90
  text "ISO GPIO OUT 0" at 41.783,51.906 h1.27 r90
  text "ISO GPIO OUT 2" at 53.086,51.907 h1.27 r90
  text "ISO GPIO OUT 3" at 50.546,51.898 h1.27 r90
  text "+3.3V 0" at 147.142,45.212 h1.27
  text "CONTROL" at 101.016,35.763 h1.27 r90
  text "ISONOC 0" at 99.624,35.712 h1.27 r90
  text "ISONOC 1" at 103.053,35.712 h1.27 r90
  text "CONTROL" at 104.445,35.712 h1.27 r90
  text "ISONOC 2" at 106.578,35.712 h1.27 r90
  text "ISONOC 4" at 113.233,35.712 h1.27 r90
  text "ISONOC 3" at 109.855,35.687 h1.27 r90
  text "CONTROL" at 114.732,35.687 h1.27 r90
  text "ISONOC 5" at 116.688,35.687 h1.27 r90
  text "CONTROL" at 118.008,35.687 h1.27 r90
  text "CONTROL" at 111.404,35.662 h1.27 r90
  text "CONTROL" at 107.874,35.636 h1.27 r90
  text "GND 0" at 147.447,35.306 h1.27
  text "GND" at 9.398,7.84 h1.02 r90
  text "GND" at 11.938,7.84 h1.02 r90
  text "GND" at 54.356,7.84 h1.02 r90
  text "GND" at 57.023,7.84 h1.02 r90
  text "foxBMS BMS-Extension v'.GlobalVersion'" at 87.198,7.569 h1.52
  text "Creative Commons / Attribution 4.0" at 154.61,7.214 h1.27 r90
  text "1" at 83.82,3.207 h0.71
  text "1" at 6.858,3.014 h1.02
  text "foxBMS.org" at 137.77,1.93 h3.05
  text "+3.3V" at 9.779,1.429 h1.02
  text "+3.3V" at 54.864,1.429 h1.02
Bottom Overlay:
  drawing of 10217 lines, arcs and shapes, not listed
Mechanical 1:
  the board outline again, w0

## Text inside footprints (layer, text, board x,y; h text height)
Designator24: Top Copper "1" at 150.851,10.338 h0.51 r90; Bot Copper "4" at 150.851,14.376 h0.51 r90; Supply "2" at 150.851,11.506 h0.51 r90; GND "3" at 150.851,12.776 h0.51 r90